# Altium PCB IRVT-001.PcbDoc (part 1 of 4)
Units mm, origin at the board's own origin, x right, y up, seen from the top; angles counter-clockwise.
Board outline 180 x 180 mm, 4 copper layers (Top Layer, Ground Plane, Power & Signal, Bottom Layer), stack 1.397 mm thick; 910 components, 520 nets, 2483 pads, 116 vias.
Unrouted connection lines stored in the file: 1841.
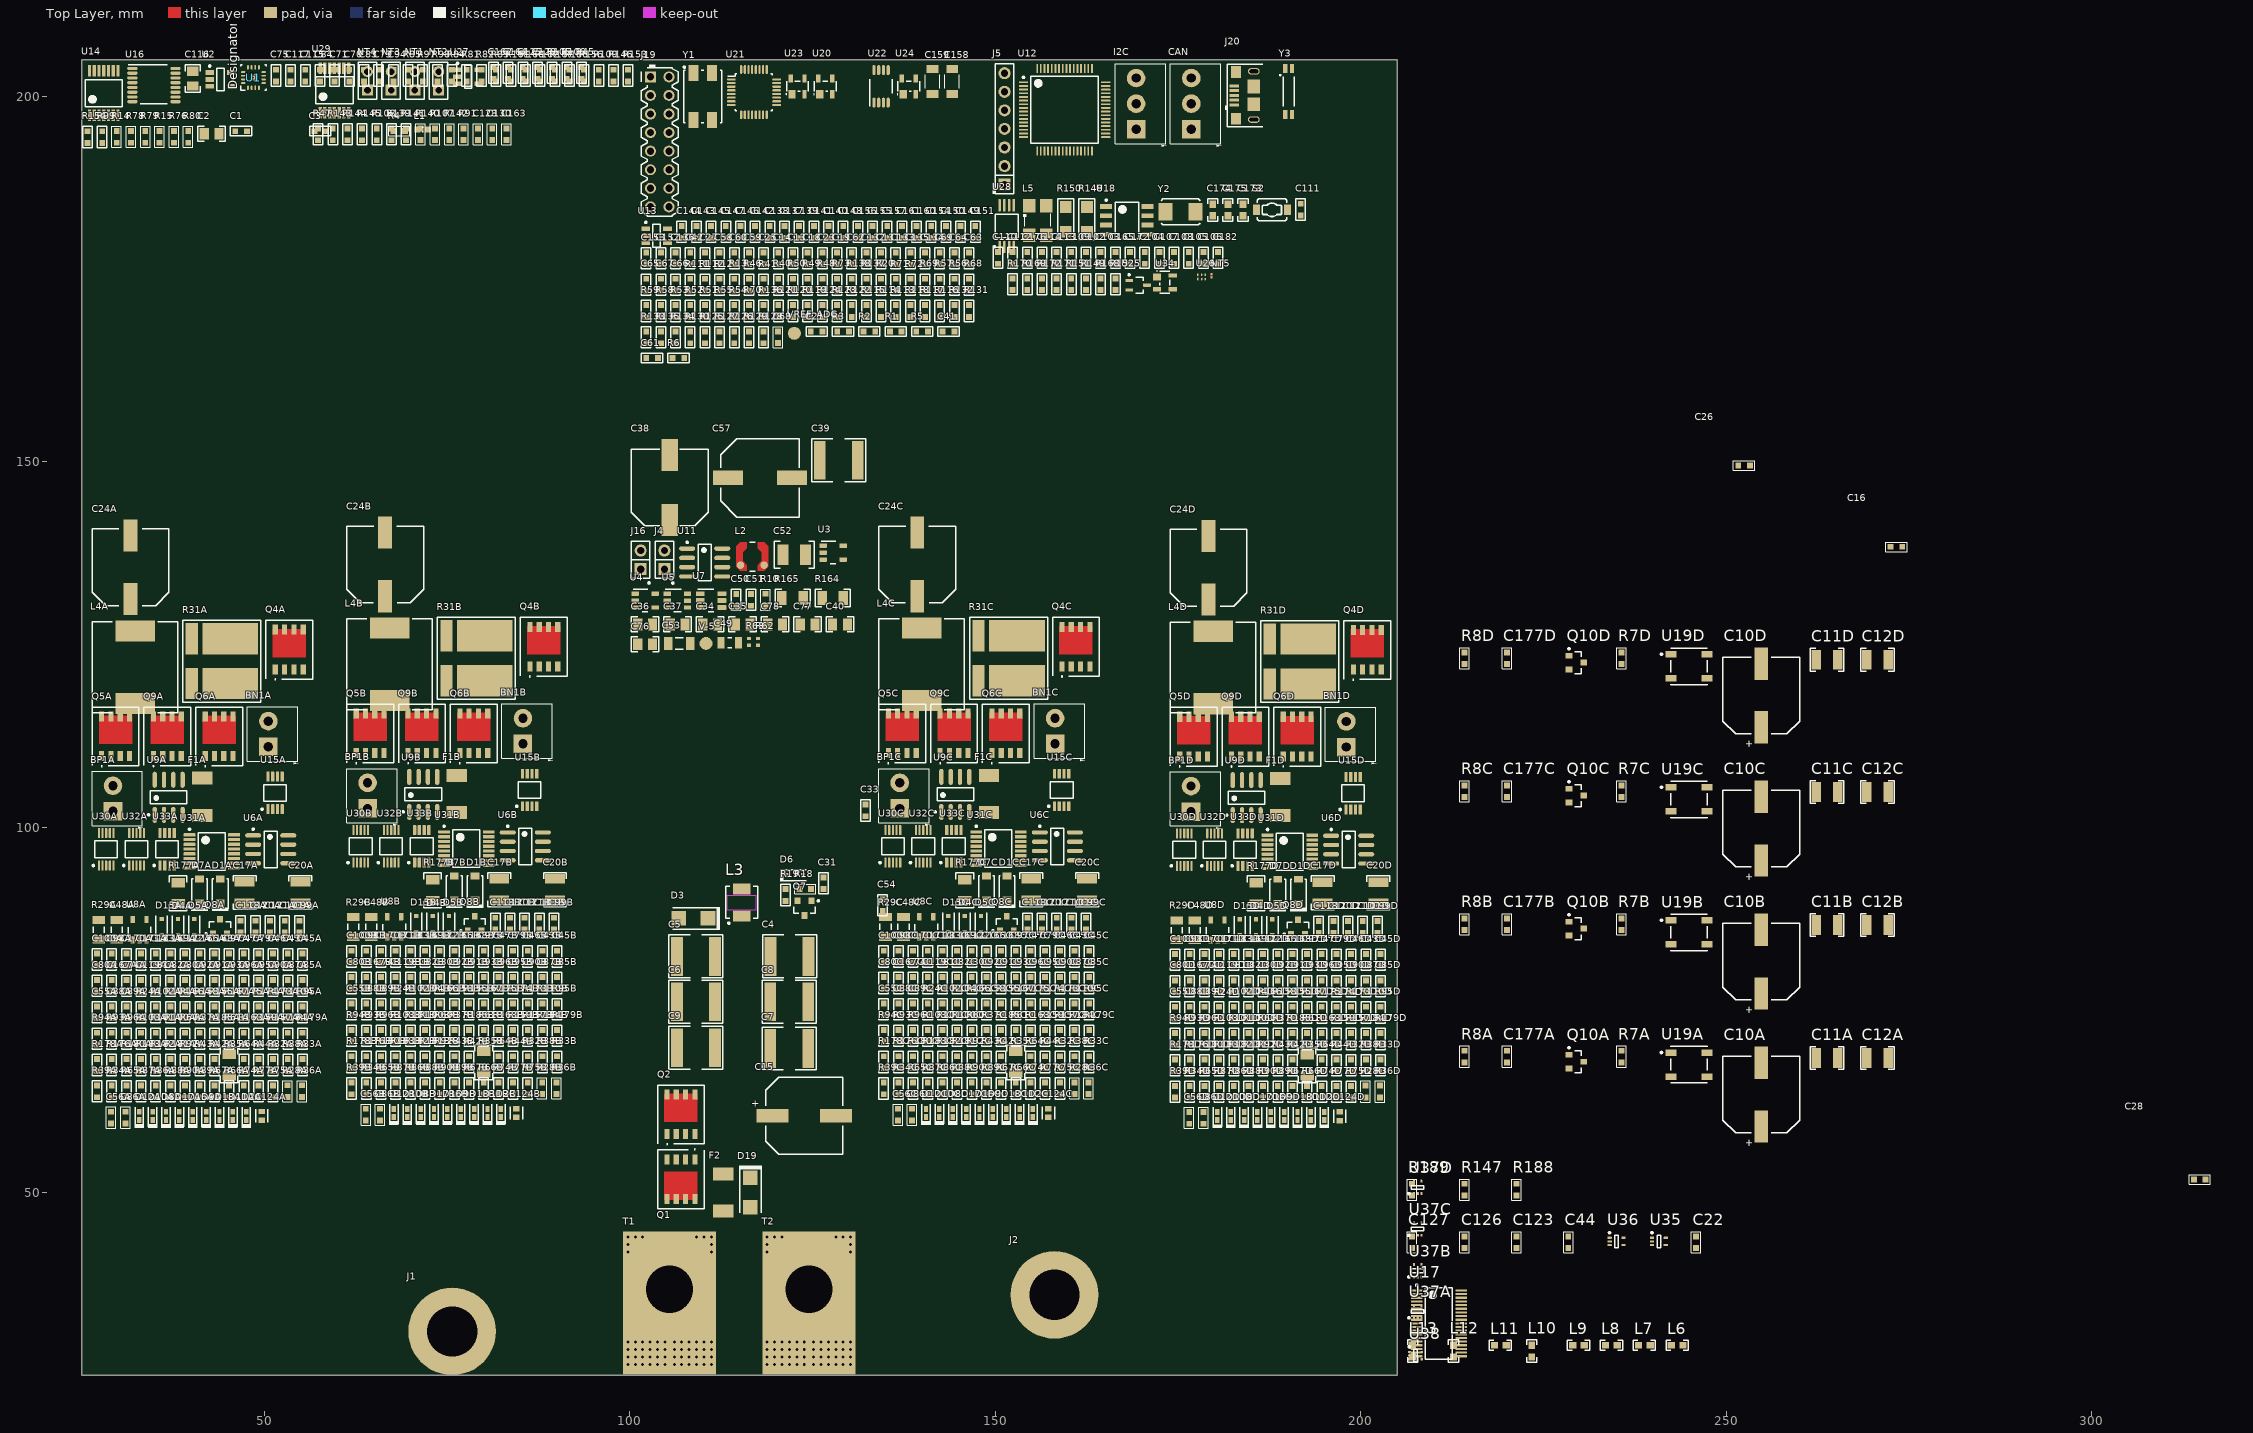
[diagram p0: Top Layer view]
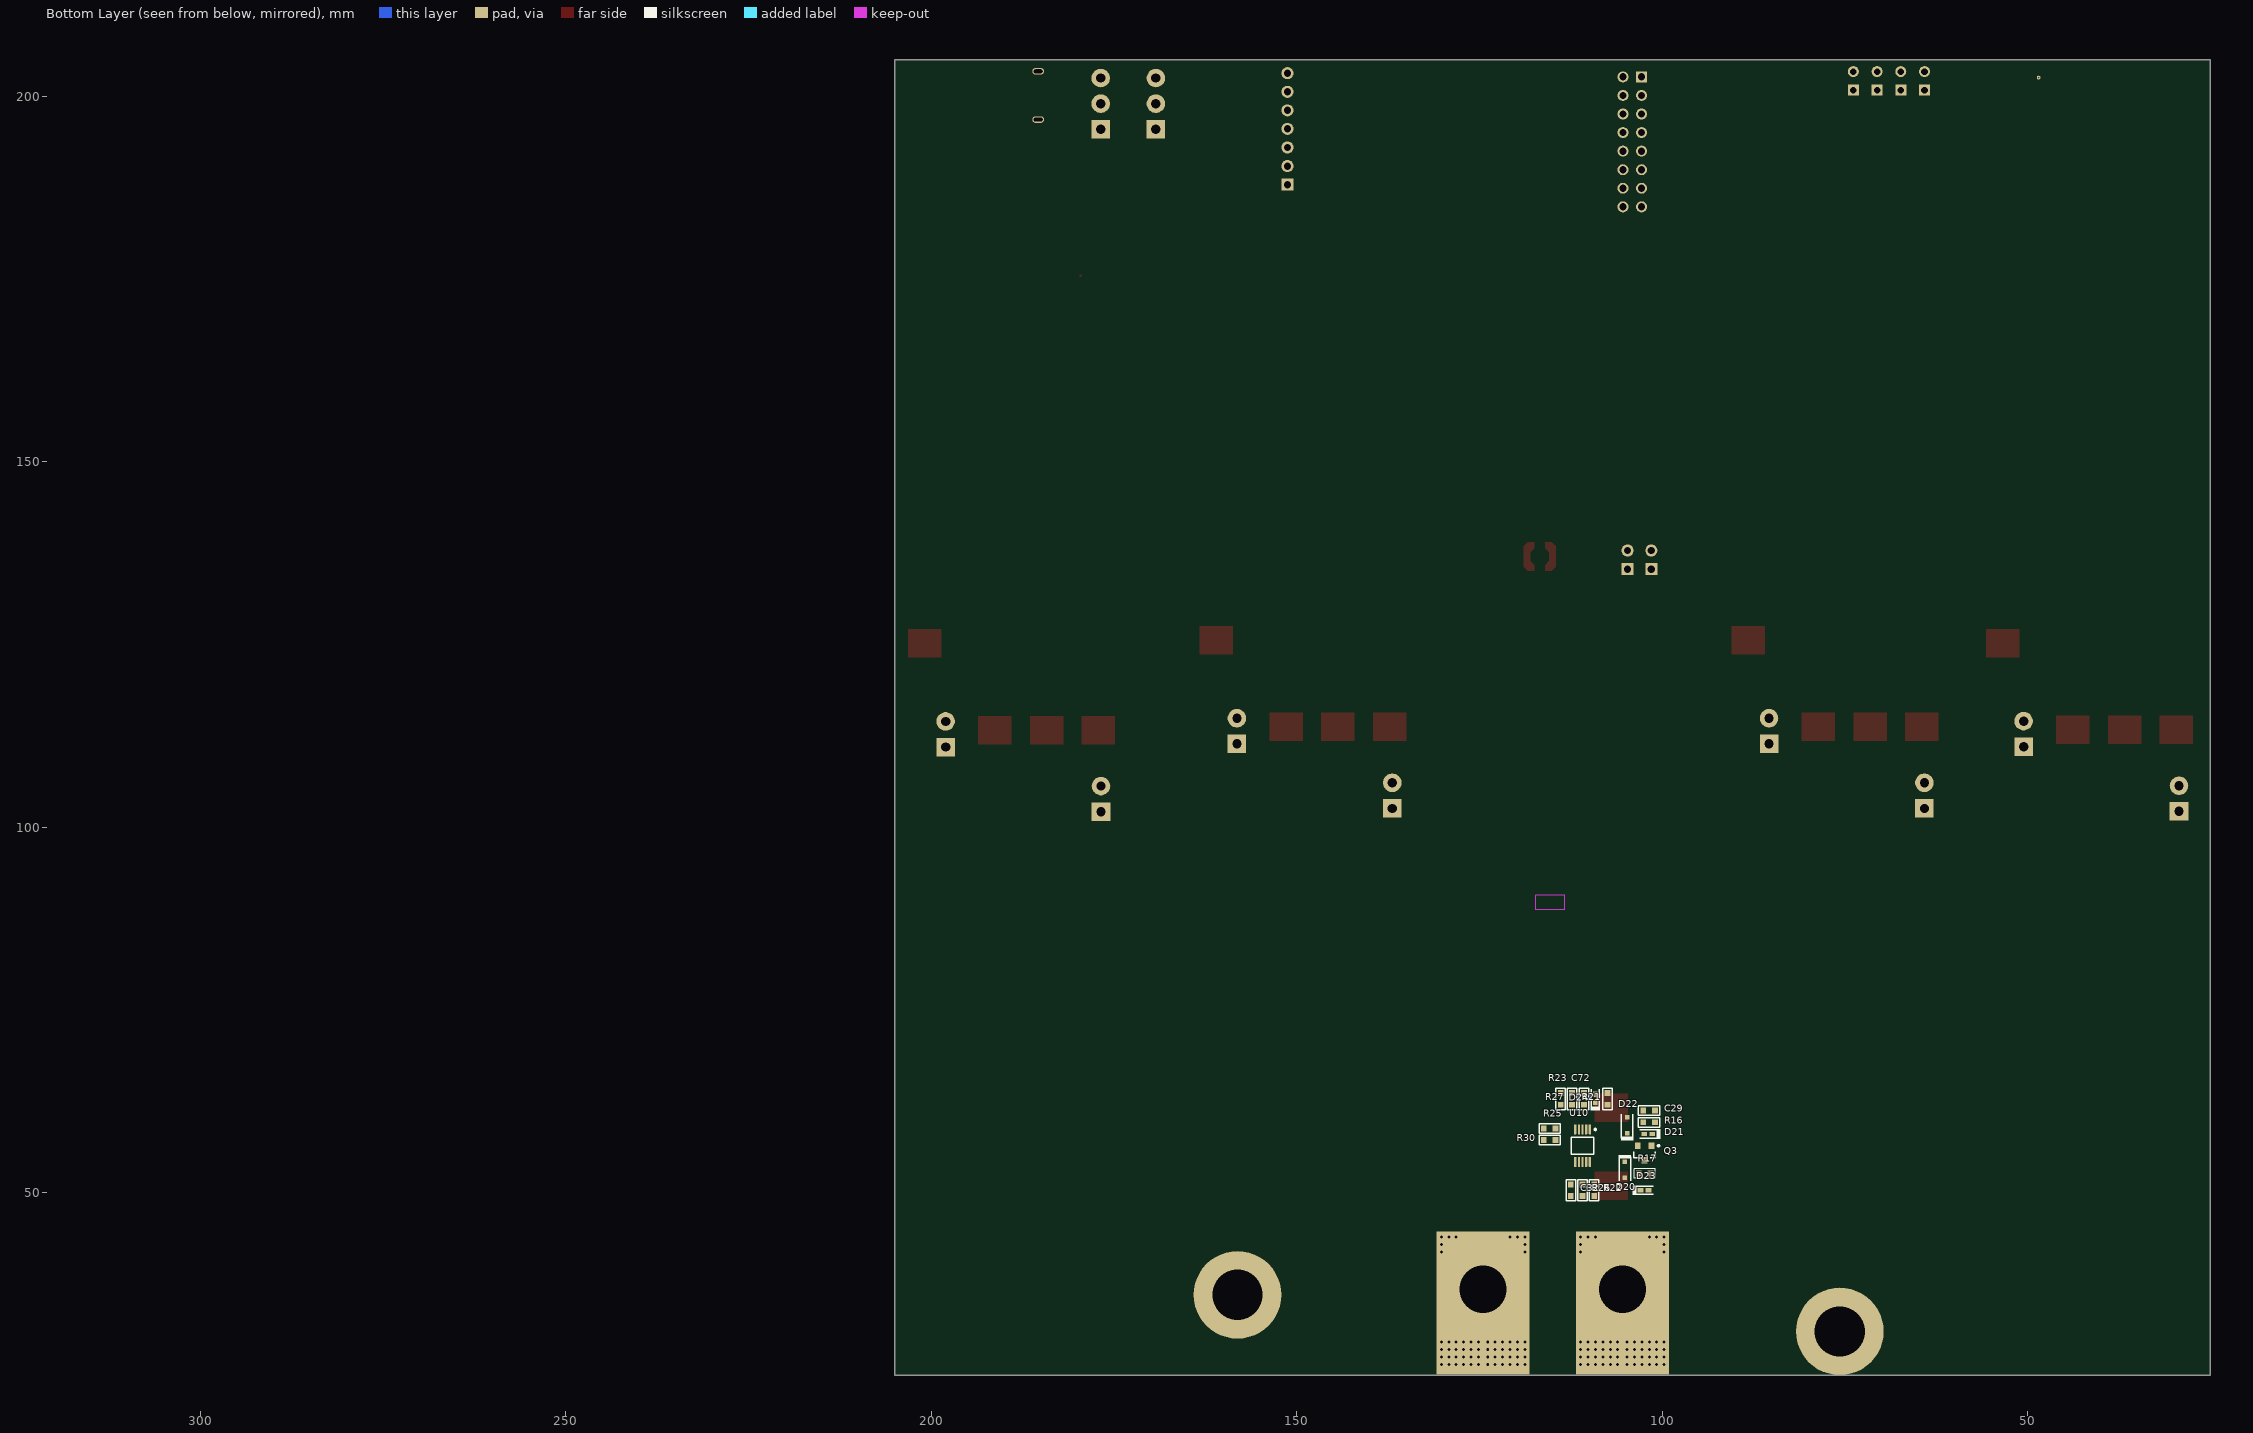
[diagram p1: Bottom Layer view, seen from below]
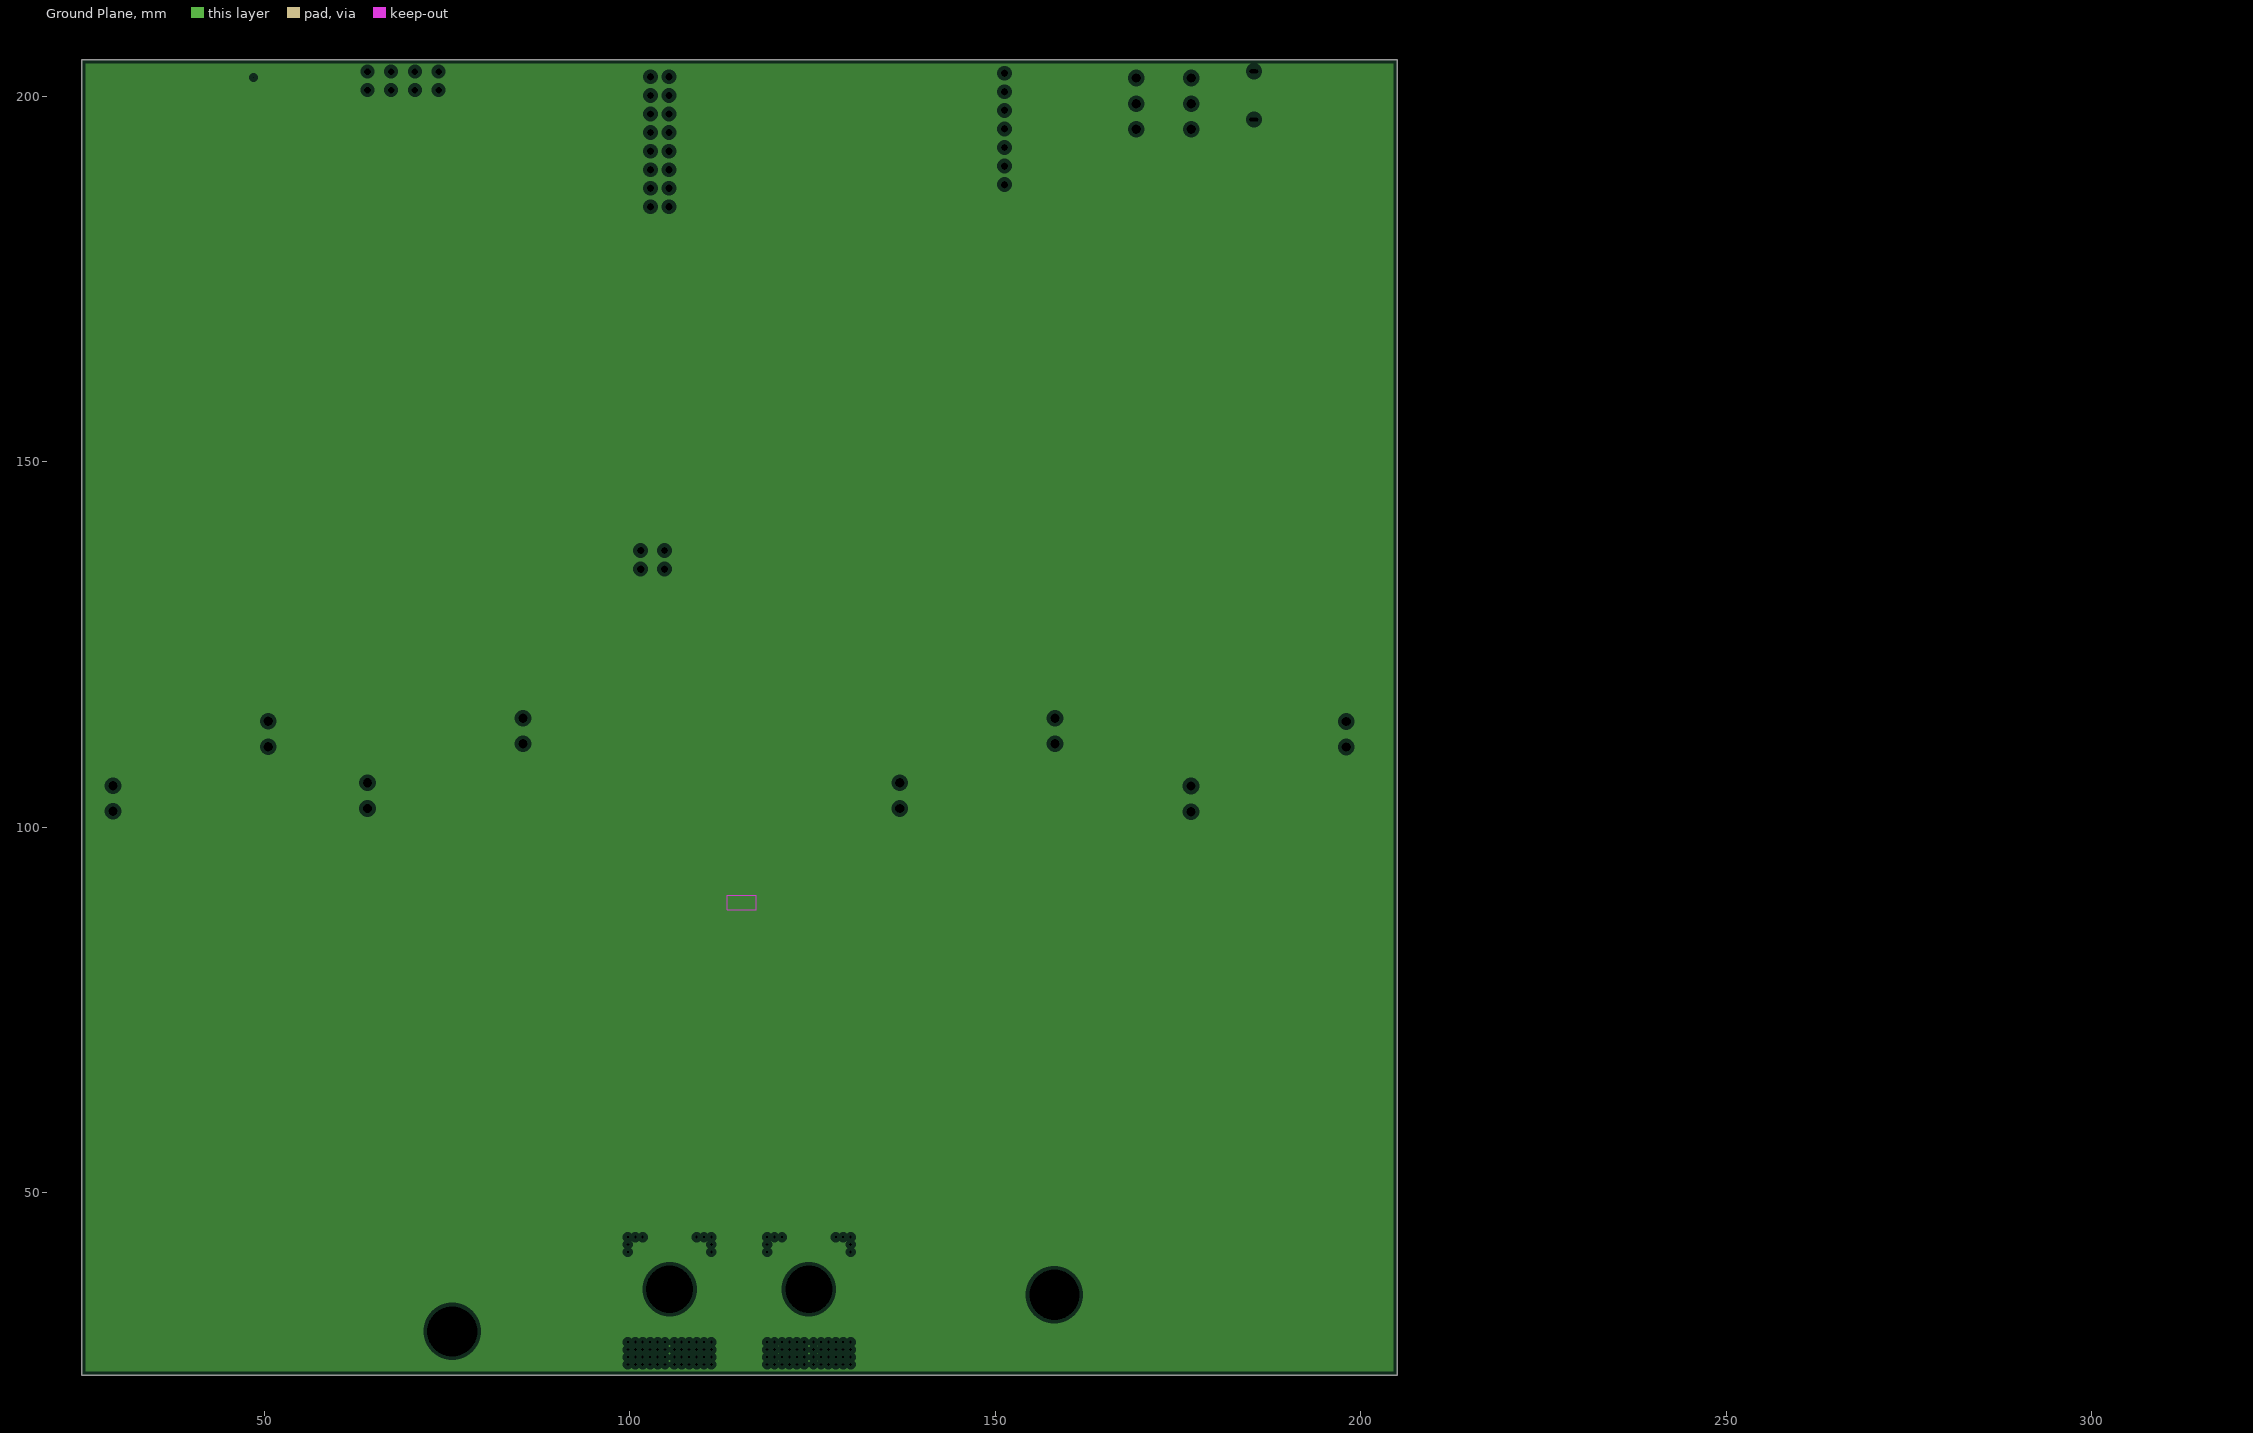
[diagram p2: Ground Plane, clearances drawn from the general rule]

## Layer stack, top to bottom
Top Solder: solder mask 0.0102, Solder Resist, Dk 3.5
Top Layer: signal copper 0.0356
Dielectric 1: prepreg 0.127, Dk 4.2
Ground Plane: plane copper 0.036
Dielectric 3: core 1, FR-4, Dk 4.2
Power & Signal: signal copper 0.036
Dielectric 4: prepreg 0.127, Dk 4.2
Bottom Layer: signal copper 0.0356
Bottom Solder: solder mask 0.0102, Solder Resist, Dk 3.5

## Board outline
25,25 25,205 205,205 205,25

## Design rules (kind name [scope] priority, off if disabled: settings)
Clearance [All] p1: gap=0.254 ignorepadtopadclearanceinfootprint=FALSE except(0: Arc-Hole Track-Hole SMDPad-Hole THPad-Hole Via-Hole Fill-Hole Poly-Hole Region-Hole Text-Hole)
DiffPairsRouting [All] p1: maxlimit=0.254 minlimit=0.254 mostfreqgap=0.254 toplayer_minwidth=0.381 toplayer_maxwidth=0.381 toplayer_prefwidth=0.381 midlayer1_minwidth=0.381 midlayer1_maxwidth=0.381 midlayer1_prefwidth=0.381 bottomlayer_minwidth=0.381 bottomlayer_maxwidth=0.381 bottomlayer_prefwidth=0.381 maxuncoupledlength=12.7
PlaneClearance [All] p1: clearance=0.508
PlaneConnect [All] p1: planeconnectstyle=Relief reliefexpansion=0.508 reliefentries=4 reliefconductorwidth=0.254 reliefairgap=0.254
PolygonConnect [All] p1: connectstyle=Relief reliefconductorwidth=0.254 reliefentries=4 polygonreliefangle="90 Angle" airgapwidth=0.254
RoomDefinition SLOT_TEMPS [InComponentClass('SLOT_TEMPS')] p1: confinementstyle=ConfineIn formatcopy=TRUE lockcomponents=FALSE outline 56.349,179.4 78.616,179.4 78.616,205.244 56.349,205.244
RoomDefinition Power_Control [InComponentClass('Power_Control')] p2: confinementstyle=ConfineIn formatcopy=TRUE lockcomponents=FALSE outline 99.219,24.906 130.801,24.906 130.801,96.806 99.219,96.806
RoomDefinition Controller [InComponentClass('Controller')] p3: confinementstyle=ConfineIn formatcopy=TRUE lockcomponents=FALSE outline 149.361,167.799 205,167.799 205,205.01 149.361,205.01
RoomDefinition "CNTRL DAC" [InComponentClass('CNTRL DAC')] p4: confinementstyle=ConfineIn formatcopy=TRUE lockcomponents=FALSE outline 24.8,179.4 56.051,179.4 56.051,204.881 24.8,204.881
RoomDefinition Bias [InComponentClass('Bias')] p5: confinementstyle=ConfineIn formatcopy=TRUE lockcomponents=FALSE outline 96,125.271 133.017,125.271 133.017,153.719 96,153.719
RoomDefinition Battery_Slot_4 [InComponentClass('Battery_Slot_4')] p6: confinementstyle=ConfineIn formatcopy=TRUE lockcomponents=FALSE outline 173.596,24.955 204.56,24.955 204.56,142.652 173.596,142.652
RoomDefinition Battery_Slot_3 [InComponentClass('Battery_Slot_3')] p7: confinementstyle=ConfineIn formatcopy=TRUE lockcomponents=FALSE outline 133.736,25.4 164.7,25.4 164.7,143.097 133.736,143.097
RoomDefinition Battery_Slot_2 [InComponentClass('Battery_Slot_2')] p8: confinementstyle=ConfineIn formatcopy=TRUE lockcomponents=FALSE outline 60.936,25.4 91.9,25.4 91.9,143.097 60.936,143.097
RoomDefinition Battery_Slot_1 [InComponentClass('Battery_Slot_1')] p9: confinementstyle=ConfineIn formatcopy=TRUE lockcomponents=FALSE outline 26.1,25 57.064,25 57.064,142.697 26.1,142.697
RoomDefinition ADC [InComponentClass('ADC')] p10: confinementstyle=ConfineIn formatcopy=TRUE lockcomponents=FALSE outline 82.4,167.9 148.993,167.9 148.993,204.86 82.4,204.86
RoutingVias [All] p1: holewidth=0.711 width=1.27 viastyle="Through Hole" minholewidth=0.711 minwidth=1.27 maxholewidth=0.711 maxwidth=1.27
SolderMaskExpansion [All] p1: expansion=0.102 istentingtop=FALSE
Width [All] p1: maxlimit=0.254 minlimit=0.254 preferedwidth=0.254
27 further rules are at their usual default settings.

## Classes and differential pairs
differential pair class CAN_INT_DP: CAN_INT
differential pair class CAN_DP: CAN_EXT
channel class LionIRVT-PMP40182.Control: Battery_Slot_1 Battery_Slot_2 Battery_Slot_3 Battery_Slot_4
component class SLOT_TEMPS: C125 C128 C129 C130 C162 C163 C164 NT1 NT2 NT3 NT4 R45 R47 R91 R105 R106 R107 R108 R139 R140 R141 R142 R143 R144 R145 U27 U29
component class Power_Control: C4 C5 C6 C7 C8 C9 C15 C29 C31 C32 C33 C54 C72 D3 D6 D19 D20 D21 D22 D23 D24 F2 J1 J2 L3 Q1 Q2 Q3 Q7 R16 R17 R18 R19 R21 R22 R23 R25 R26 R27 R30 T1 T2 U10
component class Controller: C102 C103 C104 C105 C106 C107 C108 C109 C110 C111 C112 C113 C114 C165 C172 C173 C174 C175 C176 C182 CAN I2C J5 J20 L5 NT5 R147 R148 R149 R150 R151 R152 R168 R169 R170 R171 R172 R188 R189 S2 U12 U18 U25 U26 U28 U38 Y2 Y3
component class "CNTRL DAC": C1 C2 C3 C16 C22 C26 C28 C44 C70 C71 C73 C75 C83 C84 C94 C115 C116 C117 C123 C126 C127 L1 L6 L7 L8 L9 L10 L11 L12 L13 R4 R14 R15 R76 R78 R79 R80 R81 R82 R83 R84 R85 R97 R98 R99 R109 R146 R153 R154 R156 R160 R161 R162 R186 R187 U1 U2 U14 U16 U20 U23 U24 U34 U35 U36
component class Bias: C34 C35 C36 C37 C38 C39 C40 C49 C50 C51 C52 C53 C57 C76 C77 C78 J3 J4 J9 J16 L2 R10 R62 R63 R164 R165 U3 U4 U5 U7 U11 V-5
component class Battery_Slot_4: BN1D BP1D C10D C11D C12D C17D C20D C24D C30D C43_Battery_Slot_4 C43D C45_Battery_Slot_4 C45D C46_Battery_Slot_4 C46D C47_Battery_Slot_4 C47D C48_Battery_Slot_4 C48D C55D C56_Battery_Slot_4 C56D C74D C79_Battery_Slot_4 C79D C80_Battery_Slot_4 C80D C81_Battery_Slot_4 C81D C82_Battery_Slot_4 C82D C85D C86_Battery_Slot_4 C86D C87D C88D C89D C90D C91D C92D C93D C95D C96D C97D C98D C99D C100D C101D C118D C119_Battery_Slot_4 C119D C120D C121D C122D C123_Battery_Slot_4 C124D C166D C167_Battery_Slot_4 C167D C168D C169D C170D C171D C177D C183D D1D D2D D4D D5D D7D D8D D9D D10D D11D D12D D15D D16D D17D D18D DS1_Battery_Slot_4 DS3_Battery_Slot_4 F1D L4D Q4D Q5D Q6D Q8D Q9D Q10D R7D R8D R24D R28_Battery_Slot_4 R28D R29_Battery_Slot_4 R29D R31D R32_Battery_Slot_4 R32D R33_Battery_Slot_4 R33D R34_Battery_Slot_4 R34D R35_Battery_Slot_4 R35D R36_Battery_Slot_4 R36D R37_Battery_Slot_4 R37D R38_Battery_Slot_4 R38D R39_Battery_Slot_4 R39D R42_Battery_Slot_4 R42D R43_Battery_Slot_4 R43D R44_Battery_Slot_4 R44D R60_Battery_Slot_4 R60D R61_Battery_Slot_4 R61D R64_Battery_Slot_4 R64D R65_Battery_Slot_4 R65D R66_Battery_Slot_4 R66D R67_Battery_Slot_4 R67D R74_Battery_Slot_4 R74D R75_Battery_Slot_4 R75D R77_Battery_Slot_4 R77D R86_Battery_Slot_4 R86D R87_Battery_Slot_4 R87D R88_Battery_Slot_4 R88D R89_Battery_Slot_4 R89D R90_Battery_Slot_4 R90D R92_Battery_Slot_4 R92D R93_Battery_Slot_4 R93D R94_Battery_Slot_4 R94D R95_Battery_Slot_4 R95D R96_Battery_Slot_4 R96D R100_Battery_Slot_4 R100D R101_Battery_Slot_4 R101D R102D R103_Battery_Slot_4 R103D R104D R110_Battery_Slot_4 R110D R155_Battery_Slot_4 R155D R157_Battery_Slot_4 R157D R158_Battery_Slot_4 R158D R159_Battery_Slot_4 R159D R163_Battery_Slot_4 R163D R166_Battery_Slot_4 R166D R167_Battery_Slot_4 R167D R173_Battery_Slot_4 R173D R174_Battery_Slot_4 R174D R175_Battery_Slot_4 R175D R176_Battery_Slot_4 R176D R177D R178_Battery_Slot_4 R178D R179_Battery_Slot_4 R179D R180_Battery_Slot_4 R180D R181_Battery_Slot_4 R181D R182_Battery_Slot_4 R182D R183_Battery_Slot_4 R183D R184_Battery_Slot_4 R184D R185_Battery_Slot_4 R185D U6_Battery_Slot_4 U6D U8D U9D U15D U19D U30D U31D U32D U33D U37D
component class Battery_Slot_3: BN1C BP1C C10C C11C C12C C17C C20C C24C C30C C43_Battery_Slot_3 C43C C45_Battery_Slot_3 C45C C46_Battery_Slot_3 C46C C47_Battery_Slot_3 C47C C48_Battery_Slot_3 C48C C55C C56_Battery_Slot_3 C56C C74C C79_Battery_Slot_3 C79C C80_Battery_Slot_3 C80C C81_Battery_Slot_3 C81C C82_Battery_Slot_3 C82C C85C C86_Battery_Slot_3 C86C C87C C88C C89C C90C C91C C92C C93C C95C C96C C97C C98C C99C C100C C101C C118C C119_Battery_Slot_3 C119C C120C C121C C122C C123_Battery_Slot_3 C124C C166C C167_Battery_Slot_3 C167C C168C C169C C170C C171C C177C C183C D1C D2C D4C D5C D7C D8C D9C D10C D11C D12C D15C D16C D17C D18C DS1_Battery_Slot_3 DS3_Battery_Slot_3 F1C L4C Q4C Q5C Q6C Q8C Q9C Q10C R7C R8C R24C R28_Battery_Slot_3 R28C R29_Battery_Slot_3 R29C R31C R32_Battery_Slot_3 R32C R33_Battery_Slot_3 R33C R34_Battery_Slot_3 R34C R35_Battery_Slot_3 R35C R36_Battery_Slot_3 R36C R37_Battery_Slot_3 R37C R38_Battery_Slot_3 R38C R39_Battery_Slot_3 R39C R42_Battery_Slot_3 R42C R43_Battery_Slot_3 R43C R44_Battery_Slot_3 R44C R60_Battery_Slot_3 R60C R61_Battery_Slot_3 R61C R64_Battery_Slot_3 R64C R65_Battery_Slot_3 R65C R66_Battery_Slot_3 R66C R67_Battery_Slot_3 R67C R74_Battery_Slot_3 R74C R75_Battery_Slot_3 R75C R77_Battery_Slot_3 R77C R86_Battery_Slot_3 R86C R87_Battery_Slot_3 R87C R88_Battery_Slot_3 R88C R89_Battery_Slot_3 R89C R90_Battery_Slot_3 R90C R92_Battery_Slot_3 R92C R93_Battery_Slot_3 R93C R94_Battery_Slot_3 R94C R95_Battery_Slot_3 R95C R96_Battery_Slot_3 R96C R100_Battery_Slot_3 R100C R101_Battery_Slot_3 R101C R102C R103_Battery_Slot_3 R103C R104C R110_Battery_Slot_3 R110C R155_Battery_Slot_3 R155C R157_Battery_Slot_3 R157C R158_Battery_Slot_3 R158C R159_Battery_Slot_3 R159C R163_Battery_Slot_3 R163C R166_Battery_Slot_3 R166C R167_Battery_Slot_3 R167C R173_Battery_Slot_3 R173C R174_Battery_Slot_3 R174C R175_Battery_Slot_3 R175C R176_Battery_Slot_3 R176C R177C R178_Battery_Slot_3 R178C R179_Battery_Slot_3 R179C R180_Battery_Slot_3 R180C R181_Battery_Slot_3 R181C R182_Battery_Slot_3 R182C R183_Battery_Slot_3 R183C R184_Battery_Slot_3 R184C R185_Battery_Slot_3 R185C U6_Battery_Slot_3 U6C U8C U9C U15C U19C U30C U31C U32C U33C U37C
component class Battery_Slot_2: BN1B BP1B C10B C11B C12B C17B C20B C24B C30B C43_Battery_Slot_2 C43B C45_Battery_Slot_2 C45B C46_Battery_Slot_2 C46B C47_Battery_Slot_2 C47B C48_Battery_Slot_2 C48B C55B C56_Battery_Slot_2 C56B C74B C79_Battery_Slot_2 C79B C80_Battery_Slot_2 C80B C81_Battery_Slot_2 C81B C82_Battery_Slot_2 C82B C85B C86_Battery_Slot_2 C86B C87B C88B C89B C90B C91B C92B C93B C95B C96B C97B C98B C99B C100B C101B C118B C119_Battery_Slot_2 C119B C120B C121B C122B C123_Battery_Slot_2 C124B C166B C167_Battery_Slot_2 C167B C168B C169B C170B C171B C177B C183B D1B D2B D4B D5B D7B D8B D9B D10B D11B D12B D15B D16B D17B D18B DS1_Battery_Slot_2 DS3_Battery_Slot_2 F1B L4B Q4B Q5B Q6B Q8B Q9B Q10B R7B R8B R24B R28_Battery_Slot_2 R28B R29_Battery_Slot_2 R29B R31B R32_Battery_Slot_2 R32B R33_Battery_Slot_2 R33B R34_Battery_Slot_2 R34B R35_Battery_Slot_2 R35B R36_Battery_Slot_2 R36B R37_Battery_Slot_2 R37B R38_Battery_Slot_2 R38B R39_Battery_Slot_2 R39B R42_Battery_Slot_2 R42B R43_Battery_Slot_2 R43B R44_Battery_Slot_2 R44B R60_Battery_Slot_2 R60B R61_Battery_Slot_2 R61B R64_Battery_Slot_2 R64B R65_Battery_Slot_2 R65B R66_Battery_Slot_2 R66B R67_Battery_Slot_2 R67B R74_Battery_Slot_2 R74B R75_Battery_Slot_2 R75B R77_Battery_Slot_2 R77B R86_Battery_Slot_2 R86B R87_Battery_Slot_2 R87B R88_Battery_Slot_2 R88B R89_Battery_Slot_2 R89B R90_Battery_Slot_2 R90B R92_Battery_Slot_2 R92B R93_Battery_Slot_2 R93B R94_Battery_Slot_2 R94B R95_Battery_Slot_2 R95B R96_Battery_Slot_2 R96B R100_Battery_Slot_2 R100B R101_Battery_Slot_2 R101B R102B R103_Battery_Slot_2 R103B R104B R110_Battery_Slot_2 R110B R155_Battery_Slot_2 R155B R157_Battery_Slot_2 R157B R158_Battery_Slot_2 R158B R159_Battery_Slot_2 R159B R163_Battery_Slot_2 R163B R166_Battery_Slot_2 R166B R167_Battery_Slot_2 R167B R173_Battery_Slot_2 R173B R174_Battery_Slot_2 R174B R175_Battery_Slot_2 R175B R176_Battery_Slot_2 R176B R177B R178_Battery_Slot_2 R178B R179_Battery_Slot_2 R179B R180_Battery_Slot_2 R180B R181_Battery_Slot_2 R181B R182_Battery_Slot_2 R182B R183_Battery_Slot_2 R183B R184_Battery_Slot_2 R184B R185_Battery_Slot_2 R185B U6_Battery_Slot_2 U6B U8B U9B U15B U19B U30B U31B U32B U33B U37B
component class Battery_Slot_1: BN1A BP1A C10A C11A C12A C17A C20A C24A C30A C43_Battery_Slot_1 C43A C45_Battery_Slot_1 C45A C46_Battery_Slot_1 C46A C47_Battery_Slot_1 C47A C48_Battery_Slot_1 C48A C55A C56_Battery_Slot_1 C56A C74A C79_Battery_Slot_1 C79A C80_Battery_Slot_1 C80A C81_Battery_Slot_1 C81A C82_Battery_Slot_1 C82A C85A C86_Battery_Slot_1 C86A C87A C88A C89A C90A C91A C92A C93A C95A C96A C97A C98A C99A C100A C101A C118A C119_Battery_Slot_1 C119A C120A C121A C122A C123_Battery_Slot_1 C124A C166A C167_Battery_Slot_1 C167A C168A C169A C170A C171A C177A C183A D1A D2A D4A D5A D7A D8A D9A D10A D11A D12A D15A D16A D17A D18A DS1_Battery_Slot_1 DS3_Battery_Slot_1 F1A L4A Q4A Q5A Q6A Q8A Q9A Q10A R7A R8A R24A R28_Battery_Slot_1 R28A R29_Battery_Slot_1 R29A R31A R32_Battery_Slot_1 R32A R33_Battery_Slot_1 R33A R34_Battery_Slot_1 R34A R35_Battery_Slot_1 R35A R36_Battery_Slot_1 R36A R37_Battery_Slot_1 R37A R38_Battery_Slot_1 R38A R39_Battery_Slot_1 R39A R42_Battery_Slot_1 R42A R43_Battery_Slot_1 R43A R44_Battery_Slot_1 R44A R60_Battery_Slot_1 R60A R61_Battery_Slot_1 R61A R64_Battery_Slot_1 R64A R65_Battery_Slot_1 R65A R66_Battery_Slot_1 R66A R67_Battery_Slot_1 R67A R74_Battery_Slot_1 R74A R75_Battery_Slot_1 R75A R77_Battery_Slot_1 R77A R86_Battery_Slot_1 R86A R87_Battery_Slot_1 R87A R88_Battery_Slot_1 R88A R89_Battery_Slot_1 R89A R90_Battery_Slot_1 R90A R92_Battery_Slot_1 R92A R93_Battery_Slot_1 R93A R94_Battery_Slot_1 R94A R95_Battery_Slot_1 R95A R96_Battery_Slot_1 R96A R100_Battery_Slot_1 R100A R101_Battery_Slot_1 R101A R102A R103_Battery_Slot_1 R103A R104A R110_Battery_Slot_1 R110A R155_Battery_Slot_1 R155A R157_Battery_Slot_1 R157A R158_Battery_Slot_1 R158A R159_Battery_Slot_1 R159A R163_Battery_Slot_1 R163A R166_Battery_Slot_1 R166A R167_Battery_Slot_1 R167A R173_Battery_Slot_1 R173A R174_Battery_Slot_1 R174A R175_Battery_Slot_1 R175A R176_Battery_Slot_1 R176A R177A R178_Battery_Slot_1 R178A R179_Battery_Slot_1 R179A R180_Battery_Slot_1 R180A R181_Battery_Slot_1 R181A R182_Battery_Slot_1 R182A R183_Battery_Slot_1 R183A R184_Battery_Slot_1 R184A R185_Battery_Slot_1 R185A U6_Battery_Slot_1 U6A U8A U9A U15A U19A U30A U31A U32A U33A U37A